# Altium PCB MatrixC8.PcbDoc (part 1 of 3) (continued)
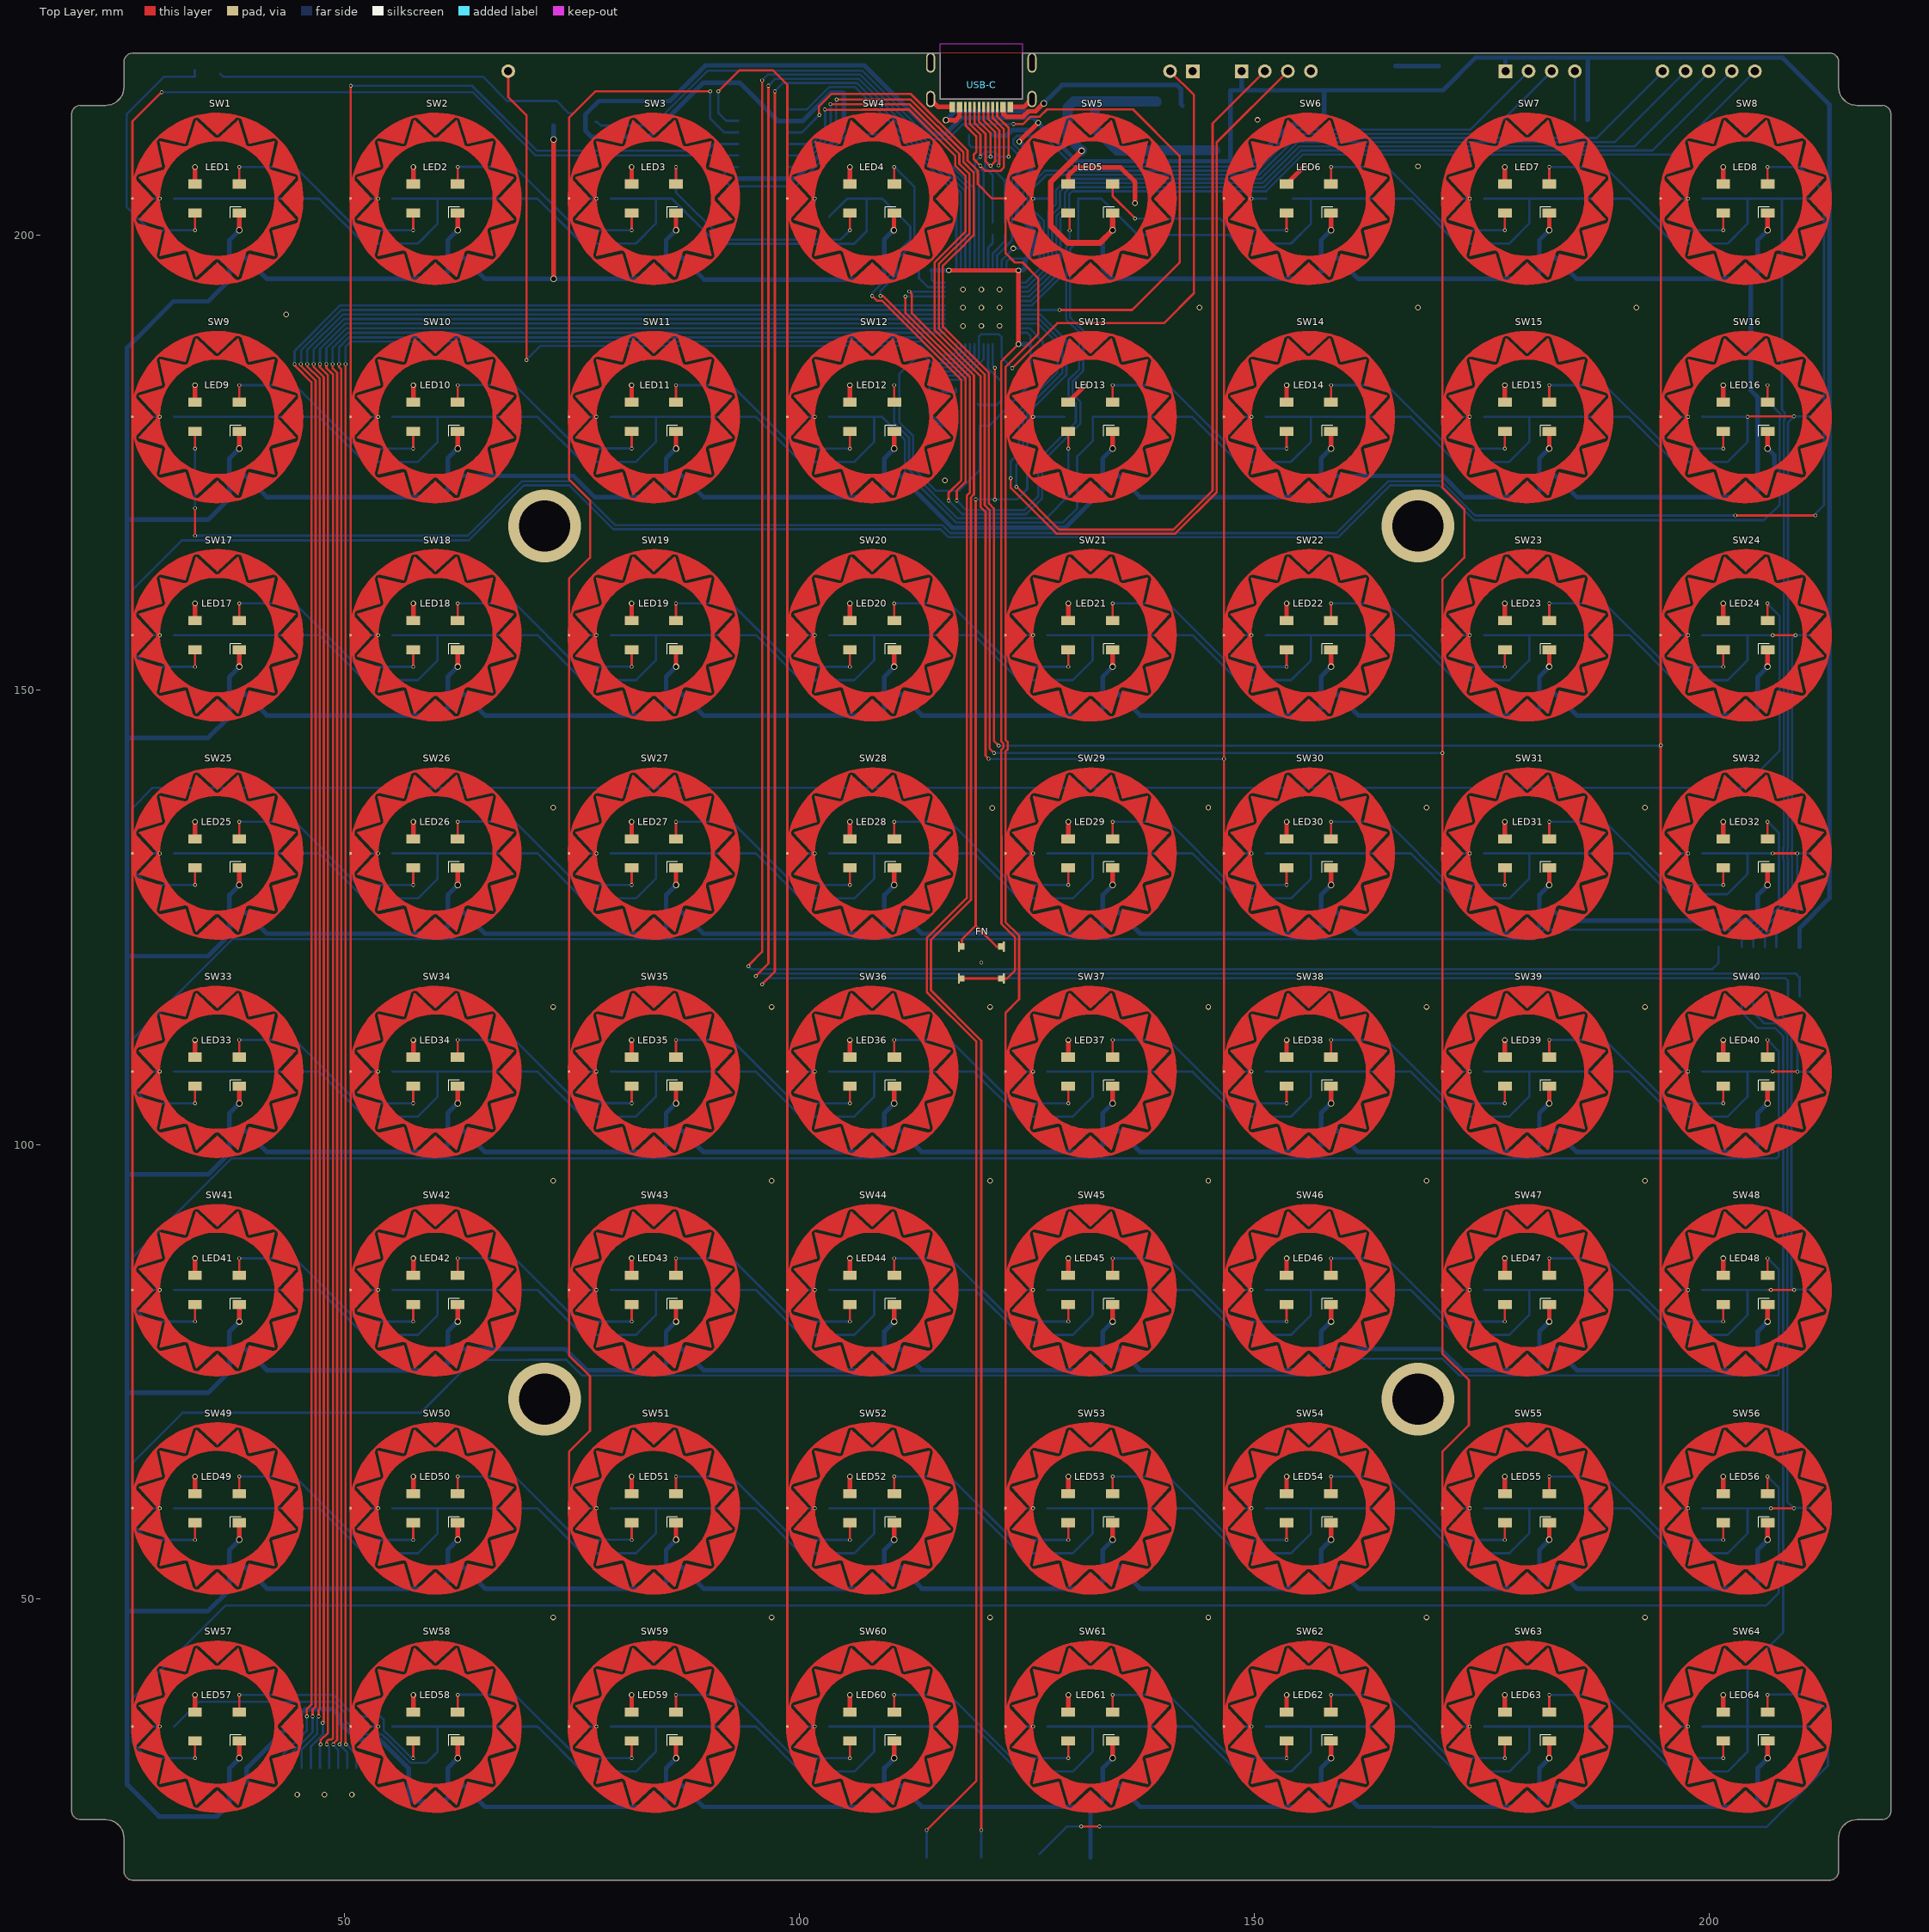
[diagram p0: Top Layer view]
## Components (designator, comment, footprint, x,y, rotation, side; value= is the part's Value field where it differs from the comment) (continued)
D27 "1N4148" SOD123 77.7,132 r0 bottom
D28 "1N4148" SOD123 101.7,132 r0 bottom
D29 "1N4148" SOD123 125.7,132 r0 bottom
D30 "1N4148" SOD123 149.7,132 r0 bottom
D31 "1N4148" SOD123 173.7,132 r0 bottom
D32 "1N4148" SOD123 197.7,132 r0 bottom
D33 "1N4148" SOD123 29.7,108 r0 bottom
D34 "1N4148" SOD123 53.7,108 r0 bottom
D35 "1N4148" SOD123 77.7,108 r0 bottom
D36 "1N4148" SOD123 101.7,108 r0 bottom
D37 "1N4148" SOD123 125.7,108 r0 bottom
D38 "1N4148" SOD123 149.7,108 r0 bottom
D39 "1N4148" SOD123 173.7,108 r0 bottom
D40 "1N4148" SOD123 197.7,108 r0 bottom
D41 "1N4148" SOD123 29.7,84 r0 bottom
D42 "1N4148" SOD123 53.7,84 r0 bottom
D43 "1N4148" SOD123 77.7,84 r0 bottom
D44 "1N4148" SOD123 101.7,84 r0 bottom
D45 "1N4148" SOD123 125.7,84 r0 bottom
D46 "1N4148" SOD123 149.7,84 r0 bottom
D47 "1N4148" SOD123 173.7,84 r0 bottom
D48 "1N4148" SOD123 197.7,84 r0 bottom
D49 "1N4148" SOD123 29.7,60 r0 bottom
D50 "1N4148" SOD123 53.7,60 r0 bottom
D51 "1N4148" SOD123 77.7,60 r0 bottom
D52 "1N4148" SOD123 101.7,60 r0 bottom
D53 "1N4148" SOD123 125.7,60 r0 bottom
D54 "1N4148" SOD123 149.7,60 r0 bottom
D55 "1N4148" SOD123 173.7,60 r0 bottom
D56 "1N4148" SOD123 197.7,60 r0 bottom
D57 "1N4148" SOD123 29.7,36 r0 bottom
D58 "1N4148" SOD123 53.7,36 r0 bottom
D59 "1N4148" SOD123 77.7,36 r0 bottom
D60 "1N4148" SOD123 101.7,36 r0 bottom
D61 "1N4148" SOD123 125.7,36 r0 bottom
D62 "1N4148" SOD123 149.7,36 r0 bottom
D63 "1N4148" SOD123 173.7,36 r0 bottom
D64 "1N4148" SOD123 197.7,36 r0 bottom
FN "按键" DS4545 120,120 r0 top
I2C "SWD" HDR1X4 148.62,218 r0 bottom (schematic designator P1)
LED1 "WS2812B" WS2812B 36,204 r180 top
LED2 "WS2812B" WS2812B 60,204 r180 top
LED3 "WS2812B" WS2812B 84,204 r180 top
LED4 "WS2812B" WS2812B 108,204 r180 top
LED5 "WS2812B" WS2812B 132,204 r180 top
LED6 "WS2812B" WS2812B 156,204 r180 top
LED7 "WS2812B" WS2812B 180,204 r180 top
LED8 "WS2812B" WS2812B 204,204 r180 top
LED9 "WS2812B" WS2812B 36,180 r180 top
LED10 "WS2812B" WS2812B 60,180 r180 top
LED11 "WS2812B" WS2812B 84,180 r180 top
LED12 "WS2812B" WS2812B 108,180 r180 top
LED13 "WS2812B" WS2812B 132,180 r180 top
LED14 "WS2812B" WS2812B 156,180 r180 top
LED15 "WS2812B" WS2812B 180,180 r180 top
LED16 "WS2812B" WS2812B 204,180 r180 top
LED17 "WS2812B" WS2812B 36,156 r180 top
LED18 "WS2812B" WS2812B 60,156 r180 top
LED19 "WS2812B" WS2812B 84,156 r180 top
LED20 "WS2812B" WS2812B 108,156 r180 top
LED21 "WS2812B" WS2812B 132,156 r180 top
LED22 "WS2812B" WS2812B 156,156 r180 top
LED23 "WS2812B" WS2812B 180,156 r180 top
LED24 "WS2812B" WS2812B 204,156 r180 top
LED25 "WS2812B" WS2812B 36,132 r180 top
LED26 "WS2812B" WS2812B 60,132 r180 top
LED27 "WS2812B" WS2812B 84,132 r180 top
LED28 "WS2812B" WS2812B 108,132 r180 top
LED29 "WS2812B" WS2812B 132,132 r180 top
LED30 "WS2812B" WS2812B 156,132 r180 top
LED31 "WS2812B" WS2812B 180,132 r180 top
LED32 "WS2812B" WS2812B 204,132 r180 top
LED33 "WS2812B" WS2812B 36,108 r180 top
LED34 "WS2812B" WS2812B 60,108 r180 top
LED35 "WS2812B" WS2812B 84,108 r180 top
LED36 "WS2812B" WS2812B 108,108 r180 top
LED37 "WS2812B" WS2812B 132,108 r180 top
LED38 "WS2812B" WS2812B 156,108 r180 top
LED39 "WS2812B" WS2812B 180,108 r180 top
LED40 "WS2812B" WS2812B 204,108 r180 top
LED41 "WS2812B" WS2812B 36,84 r180 top
LED42 "WS2812B" WS2812B 60,84 r180 top
LED43 "WS2812B" WS2812B 84,84 r180 top
LED44 "WS2812B" WS2812B 108,84 r180 top
LED45 "WS2812B" WS2812B 132,84 r180 top
LED46 "WS2812B" WS2812B 156,84 r180 top
LED47 "WS2812B" WS2812B 180,84 r180 top
LED48 "WS2812B" WS2812B 204,84 r180 top
LED49 "WS2812B" WS2812B 36,60 r180 top
LED50 "WS2812B" WS2812B 60,60 r180 top
LED51 "WS2812B" WS2812B 84,60 r180 top
LED52 "WS2812B" WS2812B 108,60 r180 top
LED53 "WS2812B" WS2812B 132,60 r180 top
LED54 "WS2812B" WS2812B 156,60 r180 top
LED55 "WS2812B" WS2812B 180,60 r180 top
LED56 "WS2812B" WS2812B 204,60 r180 top
LED57 "WS2812B" WS2812B 36,36 r180 top
LED58 "WS2812B" WS2812B 60,36 r180 top
LED59 "WS2812B" WS2812B 84,36 r180 top
LED60 "WS2812B" WS2812B 108,36 r180 top
LED61 "WS2812B" WS2812B 132,36 r180 top
LED62 "WS2812B" WS2812B 156,36 r180 top
LED63 "WS2812B" WS2812B 180,36 r180 top
LED64 "WS2812B" WS2812B 204,36 r180 top
MCU "C8T6" STM-LQFP48_L 120,192 r90 bottom
PPTC "Fuse 1" C1206 140.596,214.677 r180 bottom
R1 "res" C1206 213,203.9 r0 bottom value=10K
R1 "System" c1206 118.5,179 r0 bottom value=10K
R2 "res" C1206 213,180.045 r0 bottom value=10K
R2 "Res2" C1206 126.492,173.5 r0 bottom value=10K
R3 "System" 1608[0603] 122.6,200.7 r270 bottom value=22,0603 (schematic designator R4)
R3 "res" C1206 213,156.045 r0 bottom value=10K
R4 "System" 1608[0603] 121.25,200.7 r270 bottom value=22,0603 (schematic designator R3)
R4 "res" C1206 213,132.045 r0 bottom value=10K
R5 "res" C1206 212.9,107.992 r0 bottom value=10K
R5 "System" C1206 79.767,213.371 r90 bottom value=10K
R6 "res" C1206 213,84.045 r0 bottom value=10K
R6 "System" C1206 72.967,213.371 r270 bottom value=10K
R7 "System" C1206 120,211 r0 bottom value=1.5K
R7 "res" C1206 213,60.045 r0 bottom value=10K
R7 "res" C1206 35,217.4 r0 bottom value=470
R8 "res" C1206 213,36.045 r0 bottom value=10K
SPI "Comment" HDR1X5 194.875,218 r0 bottom
SW1 "" PAD 36,204 r0 top
SW2 "" PAD 60,204 r0 top
SW3 "" PAD 84,204 r0 top
SW4 "" PAD 108,204 r0 top
SW5 "" PAD 132,204 r0 top
SW6 "" PAD 156,204 r0 top
SW7 "" PAD 180,204 r0 top
SW8 "" PAD 204,204 r0 top
SW9 "" PAD 36,180 r0 top
SW10 "" PAD 60,180 r0 top
SW11 "" PAD 84,180 r0 top
SW12 "" PAD 108,180 r0 top
SW13 "" PAD 132,180 r0 top
SW14 "" PAD 156,180 r0 top
SW15 "" PAD 180,180 r0 top
SW16 "" PAD 204,180 r0 top
SW17 "" PAD 36,156 r0 top
SW18 "" PAD 60,156 r0 top
SW19 "" PAD 84,156 r0 top
SW20 "" PAD 108,156 r0 top
SW21 "" PAD 132,156 r0 top
SW22 "" PAD 156,156 r0 top
SW23 "" PAD 180,156 r0 top
SW24 "" PAD 204,156 r0 top
SW25 "" PAD 36,132 r0 top
SW26 "" PAD 60,132 r0 top
SW27 "" PAD 84,132 r0 top
SW28 "" PAD 108,132 r0 top
SW29 "" PAD 132,132 r0 top
SW30 "" PAD 156,132 r0 top
SW31 "" PAD 180,132 r0 top
SW32 "" PAD 204,132 r0 top
SW33 "" PAD 36,108 r0 top
SW34 "" PAD 60,108 r0 top
SW35 "" PAD 84,108 r0 top
SW36 "" PAD 108,108 r0 top
SW37 "" PAD 132,108 r0 top
SW38 "" PAD 156,108 r0 top
SW39 "" PAD 180,108 r0 top
SW40 "" PAD 204,108 r0 top
SW41 "" PAD 36,84 r0 top
SW42 "" PAD 60,84 r0 top
SW43 "" PAD 84,84 r0 top
SW44 "" PAD 108,84 r0 top
SW45 "" PAD 132,84 r0 top
SW46 "" PAD 156,84 r0 top
SW47 "" PAD 180,84 r0 top
SW48 "" PAD 204,84 r0 top
SW49 "" PAD 36,60 r0 top
SW50 "" PAD 60,60 r0 top
SW51 "" PAD 84,60 r0 top
SW52 "" PAD 108,60 r0 top
SW53 "" PAD 132,60 r0 top
SW54 "" PAD 156,60 r0 top
SW55 "" PAD 180,60 r0 top
SW56 "" PAD 204,60 r0 top
SW57 "" PAD 36,36 r0 top
SW58 "" PAD 60,36 r0 top
SW59 "" PAD 84,36 r0 top
SW60 "" PAD 108,36 r0 top
SW61 "" PAD 132,36 r0 top
SW62 "" PAD 156,36 r0 top
SW63 "" PAD 180,36 r0 top
SW64 "" PAD 204,36 r0 top
SWD "SWD" HDR1X4 177.62,218 r0 bottom (schematic designator P1)
T1 "System" SOT23 76.267,213.371 r90 bottom
TouchBar "Comment" "10pin FPC" 56.006,28 r180 bottom
U1 "CJA1117" SOT89-3L 147.4,212.05 r180 bottom (schematic designator C1)
U2 "SN74HC164D" D0014A_N 96,210 r0 bottom
U3 "SN74HC165D" D0016A_N 205.5,119 r90 bottom (schematic designator U1)
USB-C "USBC 16PIN" "USBC 16PIN -1.6" 120,213.5 r0 top (schematic designator 1)
Y1 "System" 3225 118.5,182 r180 bottom

## Footprints (in the part's own frame and the unit in brackets; to place one, negate y for a bottom-side part, rotate by r counter-clockwise, add the part's x,y. Pads: shape width x height; smd on the part's side, far side on the other; paste and mask are expansions set on the pad)
"10pin FPC" [mm]
  rect 2.6x2.6 smd: 0(1.3,1.3) 0(15,1.3)
  rect 0.6x2.2 smd: 1(3.7,3.45) 2(4.7,3.45) 3(5.7,3.45) 4(6.7,3.45) 5(7.7,3.45) 6(8.7,3.45) 7(9.7,3.45) 8(10.7,3.45) 9(11.7,3.45) 10(12.7,3.45)
  body extent 0,-3.4 16.3,2.6, height 0.25
1608[0603] [mm] "Chip Capacitor, Body 1.6x0.8mm, IPC High Density"
  rect 0.8x0.9 smd: 1(-0.7,0) 2(0.7,0)
  body extent -0.87,-0.48 0.87,0.48, height 1.3
3225 [mm]
  rect 1.4x1.2 smd: 1(-1.1,-0.85) 2(1.1,-0.85) 3(1.1,0.85) 4(-1.1,0.85)
  silkscreen extent -1.35,-1.2 -0.15,0, body extent -1.6,-1.24 1.6,1.26, height 0.61
7343H [mm]
  rect 2.16x2.41 smd: 1(-3.3,0) 2(3.3,0)
  body extent -3.65,-2.15 3.65,2.15, height 2.4
C1206 [mm] "Chip Capacitor, Body 3.2x1.6mm, IPC High Density"
  rect 1.1x1.7 smd: 1(-1.35,0) 2(1.35,0)
  silkscreen extent -0.4,-0.75 0.4,0.75, body extent -1.7,-0.9 1.7,0.9, height 1.3
c1206 [mm] "Chip Capacitor, Body 3.2x1.6mm, IPC High Density"
  rect 1.1x1.7 smd: 1(-1.35,0) 2(1.35,0)
  silkscreen extent -0.4,-0.75 0.4,0.75, body extent -1.7,-0.9 1.7,0.9, height 1.3
D0014A_N [mm] "SOIC, 14-Leads, Body 8.75x4mm, Pitch 1.27mm, IPC Medium Density"
  oval 1.45x0.6 smd: 1(-2.725,3.81) 2(-2.725,2.54) 3(-2.725,1.27) 4(-2.725,0) 5(-2.725,-1.27) 6(-2.725,-2.54) 7(-2.725,-3.81) 8(2.725,-3.81) 9(2.725,-2.54) 10(2.725,-1.27) 11(2.725,0) 12(2.725,1.27) 13(2.725,2.54) 14(2.725,3.81)
  silkscreen extent -2.85,-4.38 1.6,4.78, body extent -3.02,-4.32 3.02,4.32, height 1.59
D0016A_N [mm] "SOIC, 16-Leads, Body 10x4mm, Pitch 1.27mm, IPC Medium Density"
  oval 1.45x0.6 smd: 1(-2.725,4.445) 2(-2.725,3.175) 3(-2.725,1.905) 4(-2.725,0.635) 5(-2.725,-0.635) 6(-2.725,-1.905) 7(-2.725,-3.175) 8(-2.725,-4.445) 9(2.725,-4.445) 10(2.725,-3.175) 11(2.725,-1.905) 12(2.725,-0.635) 13(2.725,0.635) 14(2.725,1.905) 15(2.725,3.175) 16(2.725,4.445)
  silkscreen extent -2.85,-5 1.6,5.42, body extent -3,-4.95 3,4.95, height 1.59
DS4545 [mm]
  rect 0.2x1.1 smd: 1(-2.475,-1.75) 1(2.475,-1.75) 2(-2.475,1.75) 2(2.475,1.75)
  rect 0.55x0.7 smd: 1(-2.125,-1.75) 1(2.125,-1.75) 2(-2.125,1.75) 2(2.125,1.75)
HDR1X4 [mm] "Connector; Header; 4 Position"
  rect 1.5x1.5 hole 0.9: 1(0,0)
  round 1.5 hole 0.9: 2(2.54,0) 3(5.08,0) 4(7.62,0)
  silkscreen extent -1.27,-1.27 8.89,1.27
HDR1X5 [mm] "Connector; Header; 5 Position"
  round 1.5 hole 0.9: 1(0,0) 2(2.54,0) 3(5.08,0) 4(7.62,0) 5(10.16,0)
  silkscreen extent -1.27,-1.27 11.43,1.27
PAD [mil]
  rrect50% 10x10 smd paste+0 mask+0: 1(-366.86,0.1)
  round 16 hole 10 paste+0 mask+0: 2(-248.03,0)
  Top Layer region: -249.04,-245.46 -248.77,-246.83 -247.99,-247.99 -246.83,-248.77 -245.46,-249.04 -245.46,-249.04 -143.47,-225.47 -135.04,-225.46 -127.74,-229.67 -123.53,-236.97 -123.53,-236.97 -92.95,-337.08 -92.03,-338.13 -90.78,-338.76 -89.38,-338.85 -88.06,-338.41 -88.06,-338.41 0,-256.25 0,-248.01 -109.09,-222.73 -195.94,-152.04 -242.84,-50.36 -240.24,61.58 -188.66,160.98 -98.63,227.55 11.52,247.74 11.52,247.74 11.52,266.99 6.23,263.46 0,262.22 -6.23,263.46 -11.51,266.99 -11.51,266.99 -88.06,338.4 -89.38,338.85 -90.77,338.76 -92.03,338.14 -92.95,337.09 -92.95,337.09 -123.53,236.98 -126.33,231.28 -131.11,227.09 -137.13,225.05 -143.46,225.46 -143.46,225.46 -245.46,249.04 -246.83,248.77 -247.99,247.99 -248.77,246.82 -249.04,245.45 -249.04,245.45 -225.46,143.47 -225.04,137.13 -227.08,131.11 -231.27,126.34 -236.97,123.52 -236.97,123.52 -337.09,92.95 -338.14,92.03 -338.76,90.77 -338.85,89.38 -338.4,88.06 -338.4,88.06 -266.99,11.52 -263.46,6.23 -262.22,0 -263.46,-6.23 -266.99,-11.52 -266.99,-11.52 -338.4,-88.04 -338.85,-89.37 -338.76,-90.76 -338.15,-92.02 -337.09,-92.94 -337.09,-92.94 -236.98,-123.53 -231.28,-126.33 -227.09,-131.11 -225.05,-137.12 -225.46,-143.46 -225.46,-143.46
  Top Layer region: -78.29,362.9 -78.29,347.46 -85.77,350 -93.65,349.48 -100.74,345.99 -105.95,340.04 -105.95,340.05 -136.53,239.92 -137.03,238.92 -137.88,238.18 -138.94,237.82 -140.06,237.9 -140.06,237.9 -242.05,261.47 -249.8,259.93 -256.36,255.55 -260.75,248.98 -262.29,241.24 -262.29,241.24 -238.72,139.23 -238.65,138.11 -239.01,137.05 -239.75,136.21 -240.75,135.71 -240.75,135.71 -340.85,105.13 -346.79,99.92 -350.29,92.84 -350.81,84.95 -348.27,77.47 -348.27,77.47 -276.86,0.93 -276.23,0 -276.01,-1.1 -276.23,-2.21 -276.86,-3.14 -276.86,-3.14 -348.27,-79.68 -350.81,-87.16 -350.29,-95.04 -346.8,-102.12 -340.86,-107.33 -340.86,-107.33 -240.75,-137.91 -239.74,-138.41 -239,-139.25 -238.64,-140.32 -238.72,-141.44 -238.72,-141.44 -262.29,-243.43 -260.75,-251.18 -256.37,-257.75 -249.8,-262.14 -242.05,-263.68 -242.05,-263.68 -140.06,-240.1 -138.94,-240.03 -137.87,-240.39 -137.03,-241.13 -136.53,-242.14 -136.53,-242.14 -105.95,-342.25 -100.74,-348.19 -93.65,-351.69 -85.77,-352.2 -78.29,-349.67 -78.29,-349.67 -1.76,-278.25 -0.82,-277.63 0.28,-277.41 1.39,-277.63 2.32,-278.25 2.32,-278.25 92.09,-362 -75.49,-365.71 -227.72,-295.53 -333.75,-165.71 -372.11,-2.53 -335.01,160.93 -229.98,291.57 -78.29,362.9
  Top Layer region: 78.86,-365.11 78.86,-349.67 88.99,-352.38 99.11,-349.67 106.52,-342.25 106.52,-342.25 137.1,-242.13 137.6,-241.12 138.45,-240.39 139.51,-240.03 140.63,-240.11 140.63,-240.11 242.63,-263.68 250.37,-262.14 256.94,-257.75 261.32,-251.19 262.86,-243.44 262.86,-243.44 239.29,-141.43 239.22,-140.32 239.58,-139.26 240.32,-138.41 241.32,-137.92 241.32,-137.92 341.42,-107.34 348.83,-99.93 351.55,-89.8 348.84,-79.68 348.84,-79.68 277.43,-3.14 276.68,-1.85 276.68,-0.36 277.43,0.93 277.43,0.93 348.84,77.47 351.38,84.95 350.86,92.83 347.37,99.91 341.43,105.12 341.44,105.12 241.32,135.7 240.32,136.2 239.57,137.05 239.21,138.11 239.29,139.23 239.29,139.23 262.86,241.22 261.32,248.97 256.94,255.54 250.37,259.93 242.63,261.47 242.63,261.47 140.63,237.89 139.51,237.82 138.44,238.18 137.6,238.92 137.1,239.93 137.1,239.93 106.52,340.05 101.31,345.99 94.22,349.48 86.34,350 78.86,347.46 78.86,347.46 2.33,276.05 1.39,275.42 0.29,275.2 -0.82,275.42 -1.75,276.05 -1.75,276.05 -91.52,359.8 76.07,363.5 228.29,293.33 334.32,163.5 372.68,0.33 335.58,-163.14 230.55,-293.78 78.86,-365.11
  Top Layer region: 11.52,-267 88.04,-338.41 89.8,-338.92 91.58,-338.49 92.9,-337.22 92.9,-337.22 123.53,-236.97 126.34,-231.27 131.12,-227.08 137.14,-225.05 143.48,-225.47 143.48,-225.47 245.46,-249.04 246.83,-248.77 247.99,-247.99 248.77,-246.83 249.04,-245.46 249.04,-245.46 225.47,-143.46 225.47,-135.03 229.68,-127.74 236.98,-123.52 236.98,-123.52 337.08,-92.94 338.13,-92.02 338.75,-90.76 338.84,-89.37 338.4,-88.04 338.4,-88.04 267,-11.52 262.78,-4.21 262.78,4.22 267,11.52 267,11.52 338.41,88.06 338.86,89.38 338.76,90.78 338.15,92.03 337.09,92.95 337.09,92.95 236.97,123.53 229.67,127.74 225.46,135.04 225.47,143.47 225.47,143.47 249.04,245.46 248.77,246.83 247.99,247.99 246.83,248.77 245.46,249.04 245.46,249.04 143.46,225.46 137.12,225.05 131.11,227.09 126.33,231.28 123.53,236.98 123.53,236.98 92.94,337.1 92.02,338.15 90.76,338.76 89.37,338.85 88.04,338.4 88.04,338.4 0,256.24 0,248.01 109.09,222.73 195.93,152.04 242.84,50.36 240.24,-61.58 188.66,-160.98 98.62,-227.55 -11.52,-247.74 -11.52,-247.74 -11.52,-267 -6.23,-263.47 0,-262.23 6.23,-263.47 11.52,-267
SOD123 [mm]
  rect 0.9x0.95 smd: 1(-1.575,0) 2(1.575,0)
  silkscreen extent -1.95,0.77 -1.85,0.87, body extent -1.43,-0.85 1.42,0.85, height 1.35
SOD323 [mm]
  rect 0.65x1.35 smd: 1(-1.2,0) 2(1.2,0)
  body extent -0.9,-0.7 0.9,0.7, height 0.8
SOT23 [mm]
  round 0.2 on Bottom Overlay: 1(-1.5,-0.55)
  rect 0.6x1 smd: 1(0.95,1.3) 2(-0.95,1.3) 3(0,-1.3)
  silkscreen extent -1.15,-0.45 1.15,0.45, body extent -1.45,-1.4 1.45,1.4, height 1.3
SOT89-3L [mm]
  rect 0.9x1.4 smd: 1(-1.5,-2.6) 2(0,-2.6) 3(1.5,-2.6)
  rect 2.6x3 smd: 2(0,0.8)
  silkscreen extent 0,0 0,0, body extent -2.3,-1.6 2.3,1, height 1
STM-LQFP48_L [mm] "QFP, 48-Leads, Body 7x7mm, Pitch 0.5mm, IPC High Density"
  oval 1.55x0.25 smd: 1(-4.025,2.75) 2(-4.025,2.25) 3(-4.025,1.75) 4(-4.025,1.25) 5(-4.025,0.75) 6(-4.025,0.25) 7(-4.025,-0.25) 8(-4.025,-0.75) 9(-4.025,-1.25) 10(-4.025,-1.75) 11(-4.025,-2.25) 12(-4.025,-2.75) 25(4.025,-2.75) 26(4.025,-2.25) 27(4.025,-1.75) 28(4.025,-1.25) 29(4.025,-0.75) 30(4.025,-0.25) 31(4.025,0.25) 32(4.025,0.75) 33(4.025,1.25) 34(4.025,1.75) 35(4.025,2.25) 36(4.025,2.75)
  oval 0.25x1.55 smd: 13(-2.75,-4.025) 14(-2.25,-4.025) 15(-1.75,-4.025) 16(-1.25,-4.025) 17(-0.75,-4.025) 18(-0.25,-4.025) 19(0.25,-4.025) 20(0.75,-4.025) 21(1.25,-4.025) 22(1.75,-4.025) 23(2.25,-4.025) 24(2.75,-4.025) 37(2.75,4.025) 38(2.25,4.025) 39(1.75,4.025) 40(1.25,4.025) 41(0.75,4.025) 42(0.25,4.025) 43(-0.25,4.025) 44(-0.75,4.025) 45(-1.25,4.025) 46(-1.75,4.025) 47(-2.25,4.025) 48(-2.75,4.025)
  silkscreen extent -4.15,-2.85 2.85,3.55, body extent -3.5,-3.5 3.5,3.5, height 1.6
"USBC 16PIN -1.6" [mm]
  oval 1x1.8 hole 0.6 slot 1.4 at 90 deg paste+0 mask+0: 0(-5.575,1.44) 0(5.575,1.44)
  oval 1x2.2 hole 0.6 slot 1.8 at 90 deg paste+0 mask+0: 0(-5.575,5.44) 0(5.575,5.44)
  rect 0.6x1.15 smd: A1(3.2,0.575) A4(2.4,0.575) A9(-2.4,0.575) A12(-3.2,0.575)
  rect 0.3x1.15 smd: A5(1.25,0.575) A6(0.25,0.575) A7(-0.25,0.575) A8(-1.25,0.575) B5(-1.75,0.575) B6(-0.75,0.575) B7(0.75,0.575) B8(1.75,0.575)
  Keep-Out Layer board cut-out: -4.5,1.45 -4.5,7.55 4.5,7.55 4.5,1.45
WS2812B [mil] "3535"
  rect 59.1x39.4 smd: 1(-96,63) 2(-96,-63) 3(96,-63) 4(96,63)
  silkscreen extent -103,35 -57,83, body extent -105,-97 105,97, height 59

## Part data
C1 C2 C3 C4 C5 C6 C7 C8 C9 C10 C11: library part Cap, LatestRevisionDate=17-Jul-2002, LatestRevisionNote="Re-released for DXP Platform.", PackageDescription="Radial Cap, Thru-Hole; 2 Leads; 0.3 in Pin Spacing", PackageReference=RAD-0.3, Published=8-Jun-2000, Publisher="Altium Limited"
C1 C2 C3 C4 C5 C6 C7 C8 C9 C10 C11 C12 C13 C14 C15 C16 C17 C18 C19 C20 C21 C22 C23 C24 C25 C26 C27 C28 C29 C30 C31 C32 C33 C34 C35 C36 C37 C38 C39 C40 C41 C42 C43 C44 C45 C46 C47 C48 C49 C50 C51 C52 C53 C54 C55 C56 C57 C58 C59 C60 C61 C62 C63 C64: "Capacitor (Semiconductor SIM Model)", LatestRevisionDate=29-May-2009, LatestRevisionNote="IPC-7351 Footprint Added.", PackageDescription="Chip Capacitor", PackageReference=C1206, Published=8-Jun-2000, Publisher="Altium Limited"
C12: library part "Cap Pol1", "Polarized Capacitor (Radial)"
D1 D2: library part TVS
FN: library part SW, "System"
I2C SWD: library part "Header 4", "System", LatestRevisionDate=17-Jul-2002, LatestRevisionNote="Re-released for DXP Platform.", Publisher="Altium Limited"
LED1 LED2 LED3 LED4 LED5 LED6 LED7 LED8 LED9 LED10 LED11 LED12 LED13 LED14 LED15 LED16 LED17 LED18 LED19 LED20 LED21 LED22 LED23 LED24 LED25 LED26 LED27 LED28 LED29 LED30 LED31 LED32 LED33 LED34 LED35 LED36 LED37 LED38 LED39 LED40 LED41 LED42 LED43 LED44 LED45 LED46 LED47 LED48 LED49 LED50 LED51 LED52 LED53 LED54 LED55 LED56 LED57 LED58 LED59 LED60 LED61 LED62 LED63 LED64: "3535"
MCU R2 USB-C: "System"
  R2: LatestRevisionDate=17-Jul-2002, LatestRevisionNote="Re-released for DXP Platform.", PackageDescription="Axial Device, Thru-Hole; 2 Leads; 0.4 in Pin Spacing", PackageReference=AXIAL-0.4, Published=8-Jun-2000, Publisher="Altium Limited"
PPTC: "Fuse", LatestRevisionDate=17-Jul-2002, LatestRevisionNote="Re-released for DXP Platform.", PackageDescription="Thru-Hole; 2 Leads", PackageReference=PIN-W2/E2.8, Published=8-Jun-2000, Publisher="Altium Limited"
R1 R2 R3 R4 R5 R6 R7 R7 R8: library part Res3, "Resistor", LatestRevisionDate=29-May-2009, LatestRevisionNote="IPC-7351 Footprint Added.", PackageDescription="Chip Resistor", PackageReference=J1-0603, Published=8-Jun-2000, Publisher="Altium Limited"
R1 R3 R4 R5 R6 R7: library part Res2, LatestRevisionDate=17-Jul-2002, LatestRevisionNote="Re-released for DXP Platform.", PackageDescription="Axial Device, Thru-Hole; 2 Leads; 0.4 in Pin Spacing", PackageReference=AXIAL-0.4, Published=8-Jun-2000, Publisher="Altium Limited"
SW1 SW2 SW3 SW4 SW5 SW6 SW7 SW8 SW9 SW10 SW11 SW12 SW13 SW14 SW15 SW16 SW17 SW18 SW19 SW20 SW21 SW22 SW23 SW24 SW25 SW26 SW27 SW28 SW29 SW30 SW31 SW32 SW33 SW34 SW35 SW36 SW37 SW38 SW39 SW40 SW41 SW42 SW43 SW44 SW45 SW46 SW47 SW48 SW49 SW50 SW51 SW52 SW53 SW54 SW55 SW56 SW57 SW58 SW59 SW60 SW61 SW62 SW63 SW64: library part SW
T1: library part BSS138, "BSS138"
U2: "8-Bit Parallel-Out Serial Shift Registers, D0014A, TUBE", F @ Nom Voltage(Max)(Mhz)=28, Generic Part Number=SN74HC164, ICC @ Nom Voltage(Max)(mA)=0.08, Manufacturer="Texas Instruments", Operating Temperature Range(C)="-40 to 125", Rating=Catalog, tpd @ Nom Voltage(Max)(ns)=38, Voltage(Nom)(V)=6, 3-State Output=No, Bits=8, Code_JEDEC=MS-012, ComponentLink1Description="Manufacturer URL", ComponentLink1URL=http://www.ti.com/, ComponentLink2Description=Datasheet, ComponentLink2URL=http://www.ti.com/lit/ds/symlink/sn74hc164.pdf, ComponentLink3Description="Package Specification", ComponentLink3URL=http://www.ti.com/lit/ml/mpds177g/mpds177g.pdf, DatasheetVersion=SCLS115F, Input Type=CMOS, Output Drive (IOL/IOH)(Max)(mA)=5.2/-5.2, Output Type=CMOS, PackageReference=D0014A, PartNumber=SN74HC164D, Technology Family=HC, VCC(Max)(V)=6, VCC(Min)(V)=2
U3: "8-Bit Parallel-Load Shift Registers, D0016A, TUBE", F @ Nom Voltage(Max)(Mhz)=28, Generic Part Number=SN74HC165, ICC @ Nom Voltage(Max)(mA)=0.08, Manufacturer="Texas Instruments", Operating Temperature Range(C)="-40 to 125", Rating=Catalog, tpd @ Nom Voltage(Max)(ns)=38, Voltage(Nom)(V)=6, 3-State Output=No, Bits=8, Code_JEDEC="MS-012 variation AC", ComponentLink1Description="Manufacturer URL", ComponentLink1URL=http://www.ti.com/, ComponentLink2Description=Datasheet, ComponentLink2URL=http://www.ti.com/lit/ds/symlink/sn74hc165.pdf, ComponentLink3Description="Package Specification", ComponentLink3URL=http://www.ti.com/lit/ml/mpds178g/mpds178g.pdf, DatasheetVersion=SCLS116G, Input Type=CMOS, Output Drive (IOL/IOH)(Max)(mA)=5.2/-5.2, Output Type=CMOS, PackageReference=D0016A, PartNumber=SN74HC165D, Technology Family=HC, VCC(Max)(V)=6, VCC(Min)(V)=2
Y1: library part 3225Crystal

## Free pads (board coordinates)
  rect 1.5x1.5 hole 0.9: 0(143.25,218)
  round 1.5 hole 0.9: 1(68,218) 1(140.75,218)
  round 2 smd far side: 1(132,21.6) 2(126,21.6) 3(120,21.6) 4(114,21.6) 5(108,21.6)

## Via types
v1: diameter 0.406, hole 0.254, Top Layer to Bottom Layer, 208 vias
v2: diameter 0.61, hole 0.406, Top Layer to Bottom Layer, 112 vias
v3: diameter 0.711, hole 0.508, Top Layer to Bottom Layer, 69 vias
v4: diameter 8, hole 5.6, Top Layer to Bottom Layer, 4 vias

## Nets (pads, with @x,y where several pads share a name; then routed paths per layer and width w, separated by ;. In a path a pad name is that pad's centre, name@x,y a point inside that pad or via, vN(x,y) a via of type N, cw(c..) or ccw(c..) an arc to the next point about the centre after c; other vN are vias at no path point)
+3.3: C1.2@124.8,197.3 C2.2@114.55,196.1 C3.2@125.374,188 C4.2@113,186.7 C7.1@186.64,212.648 C10.2@150.517,215.9 C11.2@152.517,215.91 D2.2@154.417,215.7 FN.1 I2C.1 MCU.9 MCU.24 MCU.36 MCU.48 R1.2@119.85,179 R5.2@79.767,214.721 R7.2@121.35,211 SWD.1 T1.1@77.567,214.321 U1.2 U2.1 U2.9 U2.14 U3.16 | length 506.6
  Top Layer w0.254: FN.1@117.875,118.25 FN.1@122.125,118.25 FN.1@122.475,118.25 122.837,118.25 123.696,119.109 123.696,122.77 122.211,124.255 122.211,133.919 122.206,133.924 122.206,143.387 122.444,143.625 122.444,144.064 122.206,144.302 122.206,186.106 v2(124.1,188) ; v2@126.224,212.324 v2(126.253,212.324)
  Top Layer w0.508: v2(116.425,196.1) v2(124.1,196.1) v2(124.1,188) ; v2(124.165,210.265) v2@126.224,212.324
  Bottom Layer w0.254: C2.2@114.55,196.1 114.55,195.05 114.85,194.75 MCU.24@115.975,194.75 ; MCU.9@118.75,187.975 118.75,186.724 117.464,185.438 115.087,185.438 113.825,186.7 C4.2@113,186.7 110.986,184.686 110.986,179.398 112.508,177.876 112.508,174.376 115.023,171.861 117.533,171.861 119.85,174.177 R1.2@119.85,179 120.834,179 125.4,183.566 C3.2@125.4,187.9 ; MCU.36@122.75,196.025 122.75,197.05 123.1,197.4 C1.2@124.8,197.4 ; MCU.48@124.025,189.25 125.05,189.25 125.4,188.9 C3.2@125.4,187.9 ; C3.2@125.3,188 C3.2@125.4,187.9
  Bottom Layer w0.508: U2.1@93.275,206.19 U2.14@98.725,206.19 99.613,206.19 104.9,211.477 104.9,215.567 104.796,215.671 103.517,215.671 100.386,212.54 U2.9@98.725,212.54 97.628,212.54 93.42,216.748 89.452,216.748 83.469,210.765 77.19,210.765 76.479,211.476 76.479,213.235 76.481,213.235 T1.1@77.567,214.321 77.967,214.721 R5.2@79.767,214.721 85.781,214.721 89.711,218.651 107.134,218.651 114.674,211.111 116.077,211.111 117.844,212.878 125.698,212.878 v2(126.253,212.324) ; C2.2@114.55,196.1 v2(116.425,196.1) ; R7.2@121.35,211 121.458,210.892 122.753,210.892 123.386,211.525 125.453,211.525 v2(126.253,212.324) ; v2(124.1,188) C3.2@125.3,188 ; v2(124.1,196.1) 124.563,196.1 124.8,196.337 C1.2@124.8,197.1 ; v2(124.165,210.265) 125.573,208.857 125.573,207.231 123.957,205.614 123.957,202.23 125.85,200.337 125.85,198.258 124.892,197.3 C1.2@124.8,197.3 ; 147.4,208.33 U1.2@147.4,209.43 ; U1.2@147.4,209.5 U1.2@147.4,212.85 147.4,215.85 ; 147.4,215.91 148.74,215.91 ; I2C.1@148.62,218 148.62,216.03 148.74,215.91 ; SWD.1@177.62,218 177.62,219.474 177.639,219.494 ; C7.1@186.64,212.648 186.665,212.673 186.665,214.648 186.673,214.656 186.673,219.494 ; U3.16@209.945,121.725 209.945,123.791 213.231,127.076 213.231,214.334 208.071,219.494 186.673,219.494 ; v2(126.253,212.324) 130.469,208.107 149.933,208.107 153.972,212.146 156.457,212.146 157.705,213.394 157.705,215.91 ; 148.74,215.91 157.705,215.91 ; 157.705,215.91 170.751,215.91 174.335,219.494 177.639,219.494 ; 177.639,219.494 186.673,219.494